# Altium PCB AIWAC_A33_RGB5寸LCD驱动板_20190109.PcbDoc (part 13 of 14)
Units mm, origin at the board's own origin, x right, y up, seen from the top; angles counter-clockwise.
Board outline 96.45 x 44.9 mm, 2 copper layers (Top Layer, Bottom Layer); 32 components, 42 nets, 22766 pads, 749 vias.
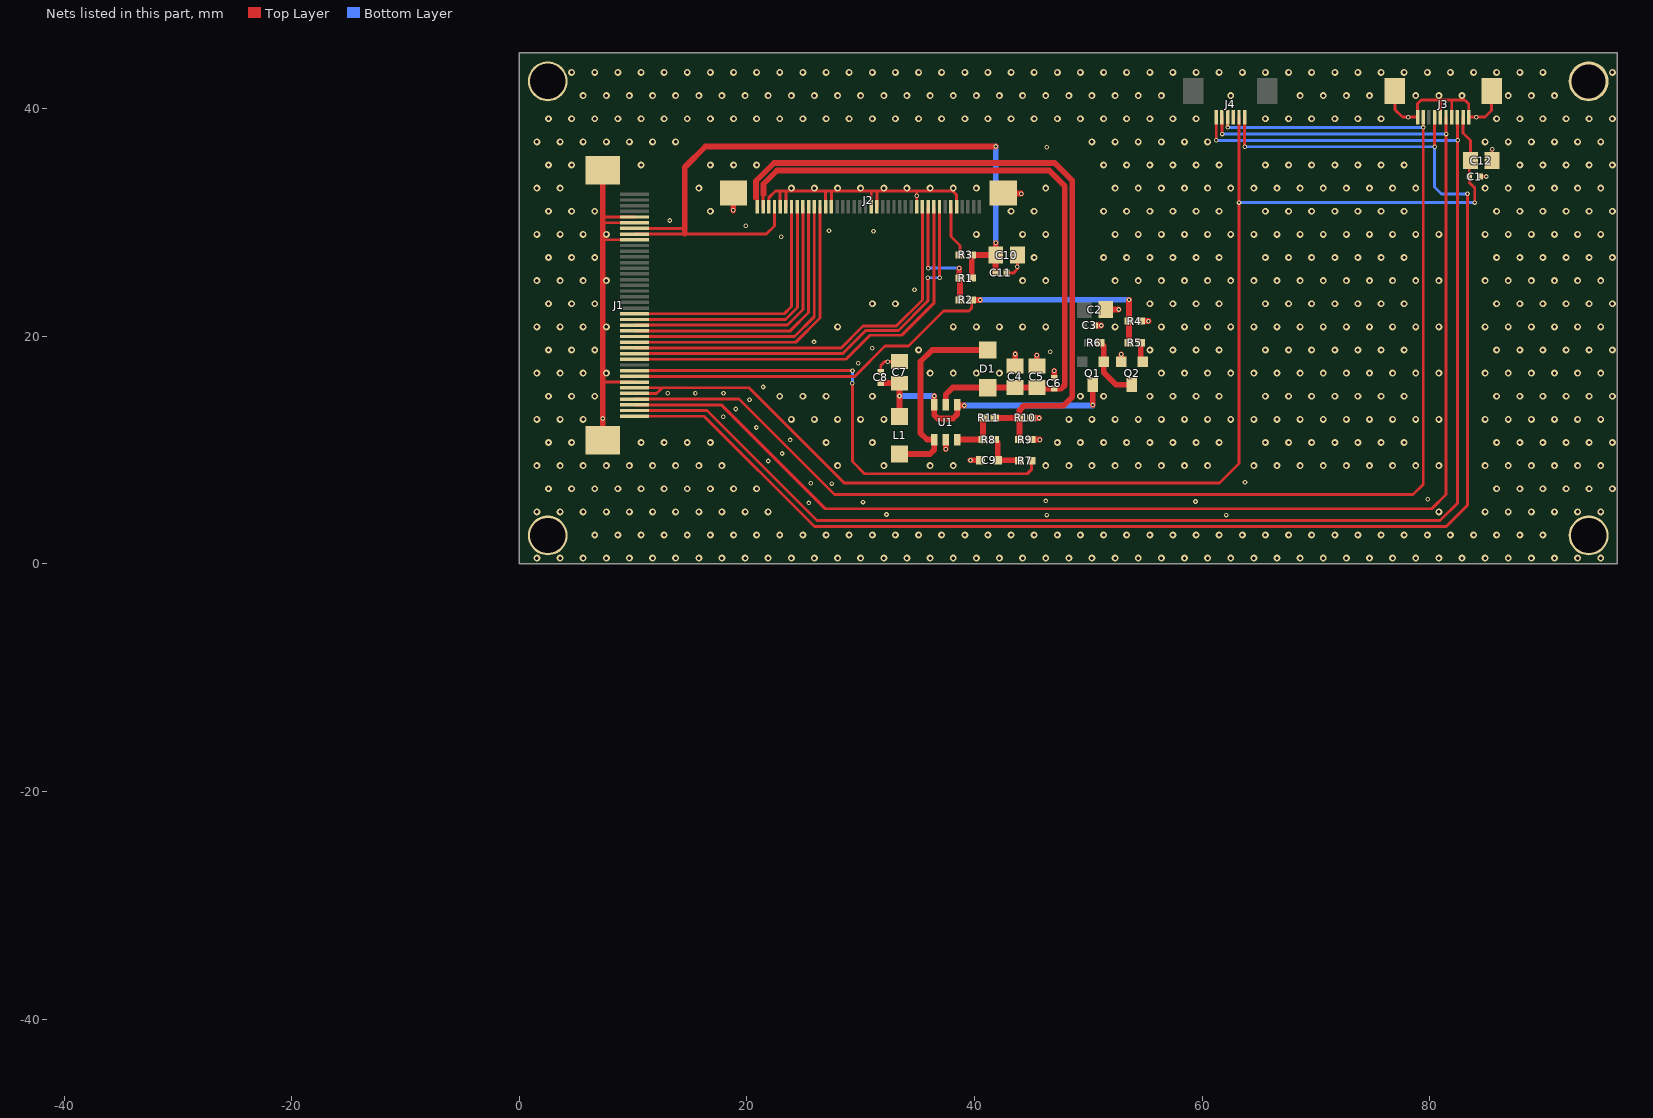
[diagram p13: the nets of this part, all layers, seen from the top]

## Via types
v1: diameter 0.61, hole 0.305, Top Layer to Bottom Layer, tented both sides, 646 vias
v2: diameter 0.406, hole 0.203, Top Layer to Bottom Layer, tented both sides, 103 vias

## Nets (pads, with @x,y where several pads share a name; then routed paths per layer and width w, separated by ;. In a path a pad name is that pad's centre, name@x,y a point inside that pad or via, vN(x,y) a via of type N, cw(c..) or ccw(c..) an arc to the next point about the centre after c; other vN are vias at no path point) (continued)
GND: C1.2 C2.2 C3.2 C4.2 C5.2 C6.2 C7.2 C8.2 C9.1 C10.2 C11.2 C12.2 J1.5 J1.6 J1.9 J1.34 J1.41 J1.42 J2.0 J2.3 J2.5 J2.6 J2.13 J2.14 J2.21 J2.22 J2.29 J2.36 J3.1 J3.4 J3.6 J3.10 J3.11 J3.12 J4.3 pad.0 Q2.2 R4.2 R9.2 R10.2 U1.2 | length 99.6
  Top Layer w0.254: 7.329,15.9 7.409,15.98 J1.34@10.112,15.98 ; 7.329,28.499 7.348,28.48 J1.9@10.112,28.48 ; 7.329,29.972 7.337,29.98 J1.6@10.112,29.98 ; 7.329,30.455 7.354,30.48 J1.5@10.112,30.48 ; J2.3@21.914,31.373 21.914,32.182 22.498,32.766 22.987,32.766 ; J2.5@22.914,31.373 22.914,32.693 22.987,32.766 ; J2.6@23.414,31.373 23.414,32.72 23.368,32.766 ; J2.13@26.914,31.373 26.914,32.751 26.899,32.766 ; J2.14@27.414,31.373 27.414,32.672 27.508,32.766 ; J2.21@30.914,31.373 30.914,32.743 30.937,32.766 ; J2.22@31.414,31.373 31.414,32.76 31.42,32.766 ; C8.2@31.75,16.866 31.75,17.424 32.101,17.775 v2(32.36,17.775) C7.2@33.401,17.775 ; J2.29@34.914,31.373 v2(34.914,32.36) 34.914,32.73 34.95,32.766 ; J2.36@38.414,31.373 38.414,32.436 38.084,32.766 34.95,32.766 ; C11.2@42.799,25.578 43.434,25.578 43.759,25.903 v2(43.759,26.111) C10.2@43.759,27.127 ; J3.12@76.92,41.556 76.92,39.92 77.584,39.256 v2(78.105,39.256) J3.10@78.92,39.256 78.92,40.439 79.248,40.767 81.026,40.767 ; J3.6@80.92,39.256 80.92,40.661 81.026,40.767 ; J3.4@81.92,39.256 81.92,40.762 81.915,40.767 ; C1.2@84.43,34.036 v2(84.963,34.036) ; J3.11@85.42,41.556 85.42,39.827 84.849,39.256 v2(84.074,39.256) J3.1@83.42,39.256 83.42,40.405 83.058,40.767 81.915,40.767 ; C12.2@85.466,35.433 85.466,36.444 v2(85.471,36.449) ; 22.987,32.766 23.368,32.766 ; 23.368,32.766 26.899,32.766 ; 26.899,32.766 27.508,32.766 ; 27.508,32.766 30.937,32.766 ; 30.937,32.766 31.42,32.766 ; 31.42,32.766 32.024,32.766 34.95,32.766 ; 81.026,40.767 81.915,40.767
  Top Layer w0.508: J1.41@7.329,10.88 v2(7.329,12.776) 7.329,15.9 7.329,28.499 7.329,29.972 7.329,30.455 J1.42@7.329,34.58 ; v2(18.796,31.064) 18.796,32.555 J2.0@18.814,32.573 ; v2(37.465,10.084) U1.2@37.465,10.922 ; v2(39.637,9.106) C9.1@40.513,9.106 ; J2.0@42.514,32.573 42.55,32.537 v2(44.094,32.537) ; C4.2@43.561,17.394 v2(43.561,18.44) ; R9.2@44.983,10.922 v2(45.72,10.922) ; R10.2@44.983,12.827 v2(45.669,12.827) ; C5.2@45.466,17.394 v2(45.466,18.339) ; C6.2@46.99,16.358 v2(46.99,16.967) ; C3.2@50.592,20.954 v2(51.131,20.954) ; C2.2@51.527,22.351 v2(52.654,22.351) ; Q2.2@52.878,17.779 v2(52.878,18.41) ; R4.2@54.605,21.335 v2@55.27,21.335
  other v1: 1.544,0.509 3.576,0.509 5.608,0.509 7.64,0.509 9.672,0.509 11.704,0.509 13.736,0.509 15.768,0.509 17.8,0.509 19.832,0.509 21.864,0.509 23.896,0.509 25.928,0.509 27.96,0.509 29.992,0.509 32.024,0.509 34.056,0.509 36.088,0.509 38.12,0.509 40.152,0.509 42.184,0.509 44.216,0.509 46.248,0.509 48.28,0.509 50.312,0.509 52.344,0.509 54.376,0.509 56.408,0.509 58.44,0.509 60.472,0.509 62.504,0.509 64.536,0.509 66.568,0.509 68.6,0.509 70.632,0.509 72.664,0.509 74.696,0.509 76.728,0.509 78.76,0.509 80.792,0.509 82.824,0.509 84.856,0.509 86.888,0.509 88.92,0.509 90.952,0.509 92.984,0.509 95.016,0.509 6.624,2.541 8.656,2.541 10.688,2.541 12.72,2.541 14.752,2.541 16.784,2.541 18.816,2.541 20.848,2.541 22.88,2.541 24.912,2.541 26.944,2.541 28.976,2.541 31.008,2.541 33.04,2.541 35.072,2.541 37.104,2.541 39.136,2.541 41.168,2.541 43.2,2.541 45.232,2.541 47.264,2.541 49.296,2.541 51.328,2.541 53.36,2.541 55.392,2.541 57.424,2.541 59.456,2.541 61.488,2.541 63.52,2.541 65.552,2.541 67.584,2.541 69.616,2.541 71.648,2.541 73.68,2.541 75.712,2.541 77.744,2.541 79.776,2.541 81.808,2.541 83.84,2.541 85.872,2.541 87.904,2.541 89.936,2.541 1.544,4.573 3.576,4.573 5.608,4.573 7.64,4.573 9.672,4.573 11.704,4.573 13.736,4.573 15.768,4.573 17.8,4.573 19.832,4.573 21.864,4.573 80.792,4.573 84.856,4.573 86.888,4.573 88.92,4.573 90.952,4.573 92.984,4.573 95.016,4.573 2.56,6.605 4.592,6.605 6.624,6.605 8.656,6.605 10.688,6.605 12.72,6.605 14.752,6.605 16.784,6.605 18.816,6.605 20.848,6.605 85.872,6.605 87.904,6.605 89.936,6.605 91.968,6.605 94,6.605 96.032,6.605 1.544,8.637 3.576,8.637 5.608,8.637 7.64,8.637 9.672,8.637 11.704,8.637 13.736,8.637 15.768,8.637 17.8,8.637 27.96,8.637 32.024,8.637 36.088,8.637 38.12,8.637 46.248,8.637 48.28,8.637 50.312,8.637 52.344,8.637 54.376,8.637 56.408,8.637 58.44,8.637 60.472,8.637 64.536,8.637 66.568,8.637 68.6,8.637 70.632,8.637 72.664,8.637 74.696,8.637 76.728,8.637 78.76,8.637 80.792,8.637 84.856,8.637 86.888,8.637 88.92,8.637 90.952,8.637 92.984,8.637 95.016,8.637 2.56,10.669 4.592,10.669 10.688,10.669 12.72,10.669 14.752,10.669 16.784,10.669 26.944,10.669 31.008,10.669 47.264,10.669 49.296,10.669 51.328,10.669 53.36,10.669 55.392,10.669 57.424,10.669 59.456,10.669 61.488,10.669 65.552,10.669 67.584,10.669 69.616,10.669 71.648,10.669 73.68,10.669 75.712,10.669 77.744,10.669 85.872,10.669 87.904,10.669 89.936,10.669 91.968,10.669 94,10.669 96.032,10.669 1.544,12.701 3.576,12.701 5.608,12.701 23.896,12.701 25.928,12.701 27.96,12.701 29.992,12.701 32.024,12.701 48.28,12.701 50.312,12.701 52.344,12.701 54.376,12.701 56.408,12.701 58.44,12.701 60.472,12.701 62.504,12.701 64.536,12.701 66.568,12.701 68.6,12.701 70.632,12.701 72.664,12.701 74.696,12.701 76.728,12.701 78.76,12.701 80.792,12.701 84.856,12.701 86.888,12.701 88.92,12.701 90.952,12.701 92.984,12.701 95.016,12.701 2.56,14.733 4.592,14.733 6.624,14.733 22.88,14.733 24.912,14.733 26.944,14.733 31.008,14.733 49.296,14.733 51.328,14.733 55.392,14.733 57.424,14.733 59.456,14.733 61.488,14.733 65.552,14.733 67.584,14.733 69.616,14.733 71.648,14.733 73.68,14.733 75.712,14.733 77.744,14.733 85.872,14.733 87.904,14.733 89.936,14.733 91.968,14.733 94,14.733 96.032,14.733 1.544,16.765 3.576,16.765 5.608,16.765 7.64,16.765 36.088,16.765 38.12,16.765 40.152,16.765 42.184,16.765 56.408,16.765 58.44,16.765 60.472,16.765 62.504,16.765 64.536,16.765 66.568,16.765 68.6,16.765 70.632,16.765 72.664,16.765 74.696,16.765 76.728,16.765 78.76,16.765 80.792,16.765 84.856,16.765 86.888,16.765 88.92,16.765 90.952,16.765 92.984,16.765 95.016,16.765 2.56,18.797 4.592,18.797 6.624,18.797 35.072,18.797 55.392,18.797 57.424,18.797 59.456,18.797 61.488,18.797 65.552,18.797 67.584,18.797 69.616,18.797 71.648,18.797 73.68,18.797 75.712,18.797 77.744,18.797 85.872,18.797 87.904,18.797 89.936,18.797 91.968,18.797 94,18.797 96.032,18.797 1.544,20.829 3.576,20.829 5.608,20.829 7.64,20.829 27.96,20.829 38.12,20.829 40.152,20.829 42.184,20.829 44.216,20.829 46.248,20.829 52.344,20.829 56.408,20.829 58.44,20.829 60.472,20.829 62.504,20.829 64.536,20.829 66.568,20.829 68.6,20.829 70.632,20.829 72.664,20.829 74.696,20.829 76.728,20.829 78.76,20.829 80.792,20.829 84.856,20.829 86.888,20.829 88.92,20.829 90.952,20.829 92.984,20.829 95.016,20.829 2.56,22.861 4.592,22.861 6.624,22.861 31.008,22.861 33.04,22.861 55.392,22.861 57.424,22.861 59.456,22.861 61.488,22.861 65.552,22.861 67.584,22.861 69.616,22.861 71.648,22.861 73.68,22.861 75.712,22.861 77.744,22.861 85.872,22.861 87.904,22.861 89.936,22.861 91.968,22.861 94,22.861 96.032,22.861 1.544,24.893 3.576,24.893 5.608,24.893 7.64,24.893 44.216,24.893 46.248,24.893 52.344,24.893 54.376,24.893 56.408,24.893 58.44,24.893 60.472,24.893 62.504,24.893 64.536,24.893 66.568,24.893 68.6,24.893 70.632,24.893 72.664,24.893 74.696,24.893 76.728,24.893 78.76,24.893 80.792,24.893 84.856,24.893 86.888,24.893 88.92,24.893 90.952,24.893 92.984,24.893 95.016,24.893 2.56,26.925 4.592,26.925 6.624,26.925 45.232,26.925 51.328,26.925 53.36,26.925 55.392,26.925 57.424,26.925 59.456,26.925 61.488,26.925 65.552,26.925 67.584,26.925 69.616,26.925 71.648,26.925 73.68,26.925 75.712,26.925 77.744,26.925 85.872,26.925 87.904,26.925 89.936,26.925 91.968,26.925 94,26.925 96.032,26.925 1.544,28.957 3.576,28.957 5.608,28.957 7.64,28.957 40.152,28.957 44.216,28.957 46.248,28.957 52.344,28.957 54.376,28.957 56.408,28.957 58.44,28.957 60.472,28.957 62.504,28.957 64.536,28.957 66.568,28.957 68.6,28.957 70.632,28.957 72.664,28.957 74.696,28.957 76.728,28.957 78.76,28.957 80.792,28.957 84.856,28.957 86.888,28.957 88.92,28.957 90.952,28.957 92.984,28.957 95.016,28.957 2.56,30.989 4.592,30.989 6.624,30.989 16.784,30.989 43.2,30.989 45.232,30.989 51.328,30.989 53.36,30.989 55.392,30.989 57.424,30.989 59.456,30.989 61.488,30.989 65.552,30.989 67.584,30.989 69.616,30.989 71.648,30.989 73.68,30.989 75.712,30.989 77.744,30.989 85.872,30.989 87.904,30.989 89.936,30.989 91.968,30.989 94,30.989 96.032,30.989 1.544,33.021 3.576,33.021 15.768,33.021 23.896,33.021 25.928,33.021 27.96,33.021 29.992,33.021 32.024,33.021 34.056,33.021 36.088,33.021 38.12,33.021 40.152,33.021 46.248,33.021 52.344,33.021 54.376,33.021 56.408,33.021 58.44,33.021 60.472,33.021 62.504,33.021 64.536,33.021 66.568,33.021 68.6,33.021 70.632,33.021 72.664,33.021 74.696,33.021 76.728,33.021 78.76,33.021 84.856,33.021 86.888,33.021 88.92,33.021 90.952,33.021 92.984,33.021 95.016,33.021 2.56,35.053 4.592,35.053 10.688,35.053 16.784,35.053 18.816,35.053 20.848,35.053 51.328,35.053 53.36,35.053 55.392,35.053 57.424,35.053 59.456,35.053 61.488,35.053 65.552,35.053 67.584,35.053 69.616,35.053 71.648,35.053 73.68,35.053 75.712,35.053 77.744,35.053 87.904,35.053 89.936,35.053 91.968,35.053 94,35.053 96.032,35.053 1.544,37.085 3.576,37.085 5.608,37.085 7.64,37.085 9.672,37.085 11.704,37.085 13.736,37.085 50.312,37.085 52.344,37.085 54.376,37.085 56.408,37.085 58.44,37.085 60.472,37.085 84.856,37.085 86.888,37.085 88.92,37.085 90.952,37.085 92.984,37.085 95.016,37.085 2.56,39.117 4.592,39.117 6.624,39.117 8.656,39.117 10.688,39.117 12.72,39.117 14.752,39.117 16.784,39.117 18.816,39.117 20.848,39.117 22.88,39.117 24.912,39.117 26.944,39.117 28.976,39.117 31.008,39.117 33.04,39.117 35.072,39.117 37.104,39.117 39.136,39.117 41.168,39.117 43.2,39.117 45.232,39.117 47.264,39.117 49.296,39.117 51.328,39.117 53.36,39.117 55.392,39.117 57.424,39.117 59.456,39.117 65.552,39.117 67.584,39.117 69.616,39.117 71.648,39.117 73.68,39.117 75.712,39.117 85.872,39.117 87.904,39.117 89.936,39.117 91.968,39.117 94,39.117 96.032,39.117 5.608,41.149 7.64,41.149 9.672,41.149 11.704,41.149 13.736,41.149 15.768,41.149 17.8,41.149 19.832,41.149 21.864,41.149 23.896,41.149 25.928,41.149 27.96,41.149 29.992,41.149 32.024,41.149 34.056,41.149 36.088,41.149 38.12,41.149 40.152,41.149 42.184,41.149 44.216,41.149 46.248,41.149 48.28,41.149 50.312,41.149 52.344,41.149 54.376,41.149 56.408,41.149 62.504,41.149 68.6,41.149 70.632,41.149 72.664,41.149 74.696,41.149 78.76,41.149 80.792,41.149 82.824,41.149 86.888,41.149 88.92,41.149 90.952,41.149 4.592,43.181 6.624,43.181 8.656,43.181 10.688,43.181 12.72,43.181 14.752,43.181 16.784,43.181 18.816,43.181 20.848,43.181 22.88,43.181 24.912,43.181 26.944,43.181 28.976,43.181 31.008,43.181 33.04,43.181 35.072,43.181 37.104,43.181 39.136,43.181 41.168,43.181 43.2,43.181 45.232,43.181 47.264,43.181 49.296,43.181 51.328,43.181 53.36,43.181 55.392,43.181 57.424,43.181 59.456,43.181 61.488,43.181 63.52,43.181 65.552,43.181 67.584,43.181 69.616,43.181 71.648,43.181 73.68,43.181 75.712,43.181 77.744,43.181 79.776,43.181 81.808,43.181 83.84,43.181 85.872,43.181 87.904,43.181 89.936,43.181 96.032,43.181
  other v2: 46.35,4.293 62.098,4.293 32.258,4.343 25.42,5.359 30.195,5.436 59.411,5.487 46.248,5.537 79.807,5.69 27.452,7.061 25.603,7.087 63.754,7.188 21.864,9.042 23.083,9.703 23.795,10.897 20.828,11.989 17.907,12.929 18.999,13.615 20.218,14.428 13.025,14.986 15.469,14.986 17.932,14.986 21.412,15.545 29.789,17.628 46.655,18.644 31.008,18.948 25.883,19.507 55.27,21.336 34.722,24.08 23.012,28.753 31.115,29.235 27.203,29.261 19.888,29.719 13.208,30.176 46.33,36.601
HSYNC: J1.30 J2.32 | length 36.8
  Top Layer w0.254: J1.30@10.112,17.98 28.708,17.98 30.82,20.091 33.604,20.091 36.414,22.901 J2.32@36.414,31.373
I2C_SCK: J1.39 J3.3 J4.6 | length 134.1
  Top Layer w0.254: J1.39@10.112,13.48 16.492,13.48 26.162,3.81 80.899,3.81 82.42,5.331 82.42,37.22 J3.3@82.42,39.256 ; v2(61.23,37.22) J4.6@61.23,39.256
  Bottom Layer w0.254: v2(61.23,37.22) v2(82.458,37.22)
I2C_SDA: J1.38 J3.5 J4.5 | length 129.9
  Top Layer w0.254: J1.38@10.112,13.98 17.745,13.98 26.873,4.851 80.162,4.851 81.42,6.109 81.42,37.77 J3.5@81.42,39.256 ; J4.5@61.73,39.256 61.73,37.787 v2(61.747,37.77)
  Bottom Layer w0.254: v2(61.747,37.77) v2(81.432,37.77)
LCD-BL-EN: J1.33 R2.1 R4.1 R5.2 | length 50.4
  Top Layer w0.254: J1.33@10.112,16.48 29.459,16.48 32.131,19.152 34.188,19.152 37.262,22.225 39.497,22.225 39.751,22.479 R2.1@39.751,23.19
  Top Layer w0.508: R2.1@39.751,23.19 v2(40.488,23.19) ; R5.2@53.564,19.43 R4.1@53.564,21.335 v2(53.564,23.216)
  Bottom Layer w0.508: v2(40.488,23.19) 40.513,23.216 v2(53.564,23.216)
LCD_5V: C7.1 C8.1 L1.1 Q1.3 U1.4 U1.6 | length 26.1
  Top Layer w0.508: C8.1@31.75,15.9 33.376,15.9 C7.1@33.401,15.875 v2(33.401,14.757) L1.1@33.401,12.954 ; v2(36.449,14.757) U1.6@36.449,13.97 36.449,13.081 36.754,12.776 38.1,12.776 38.481,13.157 U1.4@38.481,13.97 38.532,13.919 v2(39.091,13.919) ; v2(50.389,13.97) Q1.3@50.389,15.747
  Bottom Layer w0.508: v2(33.401,14.757) v2(36.449,14.757) ; v2(39.091,13.919) v2@50.389,13.919
NetC9_2: C9.2 R7.1 R8.2 | length 3.8
  Top Layer w0.508: R8.2@41.783,10.922 42.037,10.668 C9.2@42.037,9.106 43.904,9.106 R7.1@43.942,9.068
NetD1_1: D1.1 L1.2 U1.1 | length 18.1
  Top Layer w0.508: L1.2@33.401,9.652 36.068,9.652 36.449,10.033 U1.1@36.449,10.922 35.814,10.922 35.255,11.481 35.255,17.78 36.271,18.796 D1.1@41.148,18.796
NetJ2_31: J2.31 R1.2 R2.2 | length 10.9
  Top Layer w0.254: v2(35.914,25.986) J2.31@35.914,31.373
  Top Layer w0.508: v2(38.657,25.986) 38.657,25.173 R1.2@38.71,25.121 R2.2@38.71,23.19
  Bottom Layer w0.254: v2(35.914,25.986) v2(38.657,25.986)
NetJ2_35: J2.35 R3.2 | length 4.5
  Top Layer w0.254: J2.35@37.914,31.373 37.914,28.761 38.71,27.965 R3.2@38.71,27.153
NetQ1_1: Q1.1 Q2.3 R6.2 | length 5.6
  Top Layer w0.508: R6.2@51.049,19.43 51.354,19.126 Q1.1@51.354,17.779 51.354,16.82 52.426,15.747 Q2.3@53.818,15.747
NetQ2_1: Q2.1 R5.1 | length 1.7
  Top Layer w0.508: R5.1@54.605,19.43 54.605,17.957 Q2.1@54.783,17.779
NetR8_1: R8.1 R11.2 U1.3 | length 4.2
  Top Layer w0.508: U1.3@38.481,10.922 R8.1@40.742,10.922 R11.2@40.742,12.827
PWM0: J1.32 R7.2 | length 44.3
  Top Layer w0.254: J1.32@10.112,16.98 v2(29.274,16.98) ; v2(29.261,15.875) 29.261,8.992 30.328,7.925 44.628,7.925 44.983,8.28 R7.2@44.983,9.068
  Bottom Layer w0.254: v2(29.261,15.875) 29.261,16.942 29.286,16.967 v2(29.274,16.98)
R2: J1.22 J2.7 | length 22.8
  Top Layer w0.254: J1.22@10.112,21.98 23.275,21.98 23.914,22.619 J2.7@23.914,31.373
R3: J1.23 J2.8 | length 23.6
  Top Layer w0.254: J1.23@10.112,21.48 23.382,21.48 24.435,22.533 24.435,31.352 J2.8@24.414,31.373
R4: J1.24 J2.9 | length 24.4
  Top Layer w0.254: J1.24@10.112,20.98 23.545,20.98 24.914,22.349 J2.9@24.914,31.373
R5: J1.25 J2.10 | length 25.3
  Top Layer w0.254: J1.25@10.112,20.48 23.807,20.48 25.414,22.087 J2.10@25.414,31.373
R6: J1.26 J2.11 | length 26.2
  Top Layer w0.254: J1.26@10.112,19.98 24.171,19.98 25.914,21.723 J2.11@25.914,31.373
R7: J1.27 J2.12 | length 26.9
  Top Layer w0.254: J1.27@10.112,19.48 24.281,19.48 26.414,21.613 J2.12@26.414,31.373
TP_INT: J1.37 J3.9 J4.4 | length 123.5
  Top Layer w0.254: J1.37@10.112,14.48 19.302,14.48 27.686,6.096 78.531,6.096 79.42,6.985 v2(79.42,38.354) J3.9@79.42,39.256 ; v2(62.23,38.354) J4.4@62.23,39.256
  Bottom Layer w0.254: v2(62.23,38.354) v2(79.42,38.354)
TP_WAKEUP: J1.40 J3.7 J4.1 | length 133.9
  Top Layer w0.254: J1.40@10.112,12.98 16.23,12.98 25.933,3.277 81.432,3.277 83.312,5.156 v2(83.312,32.512) ; v2(63.73,36.651) J4.1@63.73,39.256 ; v2(80.42,36.656) J3.7@80.42,39.256
  Bottom Layer w0.254: v2(63.73,36.651) v2@80.415,36.651 ; v2(80.42,36.656) 80.42,33.118 81.026,32.512 v2(83.312,32.512)
VCC-CTP: C1.1 C12.1 J1.35 J1.36 J3.2 J4.2 | length 119.1
  Top Layer w0.254: J1.36@10.112,14.98 12.059,14.98 12.559,15.48 ; J1.35@10.112,15.48 12.559,15.48 ; J4.2@63.23,39.256 v2(63.23,31.75) 63.23,8.823 61.519,7.112 28.55,7.112 20.182,15.48 12.559,15.48 ; J3.2@82.92,39.256 82.92,37.857 83.566,37.211 C12.1@83.566,35.433 83.464,35.331 C1.1@83.464,34.036 83.464,33.503 83.947,33.02 v2(83.947,31.75)
  Bottom Layer w0.254: v2(63.23,31.75) v2(83.947,31.75)
VCC_LCD: C10.1 C11.1 J1.7 J1.8 J2.4 R1.1 R3.1 | length 67.6
  Top Layer w0.254: J1.8@10.112,28.98 21.69,28.98 22.414,29.704 J2.4@22.414,31.373 ; J1.7@10.112,29.48 14.376,29.48
  Top Layer w0.508: 14.529,29.005 14.529,34.849 16.358,36.678 v2(41.859,36.678) ; R1.1@39.751,25.121 R3.1@39.751,27.153 C10.1@41.783,27.153 ; C11.1@41.834,25.578 C10.1@41.834,27.102 ; C10.1@41.859,27.127 v2(41.859,28.219)
  Bottom Layer w0.508: v2(41.859,28.219) v2(41.859,36.678)
VCLK: J1.28 J2.30 | length 35.2
  Top Layer w0.254: J1.28@10.112,18.98 28.276,18.98 30.201,20.904 33.122,20.904 35.408,23.19 35.408,31.367 J2.30@35.414,31.373
VLED+: C4.1 C5.1 C6.1 D1.2 J2.2 U1.5 | length 58.8
  Top Layer w0.254: J2.2@21.414,31.373 21.414,32.487
  Top Layer w0.508: 21.447,32.487 21.447,33.381 22.635,34.569 46.558,34.569 47.91,33.218 47.91,15.703 47.6,15.392 C6.1@46.99,15.392 45.568,15.392 C5.1@45.466,15.494 C4.1@43.561,15.494 D1.2@41.148,15.494 38.075,15.494 37.465,14.884 U1.5@37.465,13.97
VLED-: J2.1 R9.1 R10.1 R11.1 | length 61.2
  Top Layer w0.254: J2.1@20.914,31.373 20.914,33.122
  Top Layer w0.508: 20.787,32.166 20.787,33.655 22.362,35.23 47.041,35.23 48.57,33.7 48.57,14.661 47.803,13.894 44.323,13.894 43.942,13.513 R10.1@43.942,12.827 R9.1@43.942,10.922 ; R11.1@41.783,12.827 R10.1@43.942,12.827
VSYNC: J1.29 J2.33 | length 37
  Top Layer w0.254: J1.29@10.112,18.48 28.411,18.48 30.429,20.498 33.299,20.498 35.89,23.089 v2(35.89,25.146) ; v2@36.914,25.146 J2.33@36.914,31.373
  Bottom Layer w0.254: v2(35.89,25.146) v2(36.932,25.146)
pads on no net: J2.37 J2.38 J2.39 J2.40 J3.8 J4.7 J4.8

## Polygon pours and split planes (outlines as drawn)
GND on Top Layer "Bottom Layer-No Net" (hatched 90Degree grid 0.102 track 0.127, remove dead copper, pour order 2): 96.45,44.9 96.45,0 0.127,0 0.127,44.9
GND on Bottom Layer "Bottom Layer-No Net" (hatched 90Degree grid 0.102 track 0.127, remove dead copper, pour order 4): 0,44.9 96.45,44.9 96.45,0.102 96.348,0 0.127,0 0.127,44.773

## Other copper
Top Layer:
  pour cut-out: 48.57,33.7 49.296,33.7 49.327,33.731 49.327,22.454 48.775,22.454 48.483,22.746 48.57,22.833

## Silkscreen, mask and mechanical layers (free items; w line width, h text height)
Top Overlay:
  region: 133.474,-55.804 79.074,-55.804 76.674,-58.204 76.674,-92.704 77.274,-92.704 133.474,-92.604
  text "I2C_SCK" at 68.199,43.688 h0.76 r270
  text "I2C_SDA" at 69.215,43.688 h0.76 r270
  text "IP_INT" at 70.358,43.688 h0.76 r270
  text "GND" at 71.374,43.688 h0.76 r270
  text "VCC_CTP" at 72.39,43.688 h0.76 r270
  text "TP_WAKEUP" at 73.533,43.688 h0.76 r270
  text "AIWAC_RGB-LCD 5寸驱动板V1.0_20190105" at 21.539,42.164 h1.52
  text "1" at 11.176,33.147 h0.76 r90
  text "VCC_CTP" at 93.726,32.766 h0.76 r270
  text "TP_WAKEUP" at 86.36,32.639 h0.76 r270
  text "IP_INT" at 88.392,32.639 h0.76 r270
  text "GND" at 89.408,32.639 h0.76 r270
  text "I2C_SDA" at 90.551,32.639 h0.76 r270
  text "GND" at 91.567,32.639 h0.76 r270
  text "I2C_SCK" at 92.583,32.639 h0.76 r270
  text "GND" at 94.869,32.639 h0.76 r270
  text "GND" at 85.344,32.512 h0.76 r270
  text "NC" at 87.376,32.512 h0.76 r270
  text "40" at 11.049,10.795 h0.76 r90
Mechanical 1:
  lines w0.254: -40.894,-8.382 -40.894,36.518 ; 0.127,0 0.127,44.9 ; 0.202,46.931 0.203,46.423 ; 1.726,47.186 0.203,46.677 ; 1.727,46.17 0.203,46.677 ; 40.34,46.719 0.203,46.677 ; 56.388,46.736 96.526,46.778 ; 95.001,47.285 96.526,46.778 ; 95.002,46.269 96.526,46.778 ; 96.525,47.032 96.526,46.524 ; 99.136,0.817 99.641,-0.709 ; 99.231,42.669 99.742,44.191 ; 99.387,-0.708 99.895,-0.709 ; 99.488,44.192 99.996,44.191 ; 99.677,15.241 99.641,-0.709 ; 99.706,28.242 99.742,44.191 ; 100.152,0.814 99.641,-0.709 ; 100.247,42.666 99.742,44.191 ; 0,0 0,44.9 96.45,44.9 96.45,0 0,0
  text "96.323 (mm)" at 40.595,45.805 h1.52 r0.06
  text "44.9 (mm)" at 100.591,15.493 h1.52 r89.87
Mechanical 2:
  drawing of 19725 lines, arcs and shapes, not listed
Mechanical 3:
  drawing of 7932 lines, arcs and shapes, not listed
Mechanical 4:
  lines w0: -39.046,-44.143 -39.046,-44.141 ; -39.046,-44.143 -39.045,-44.143 ; -39.046,-44.143 -39.045,-44.143 ; -39.046,-44.143 -39.046,-44.141 ; -39.046,-44.143 -39.045,-44.143 ; -39.046,-44.143 -39.046,-44.141 ; -39.046,-44.141 -39.045,-44.141 ; -39.046,-44.141 -39.045,-44.141 ; -39.046,-44.141 -39.045,-44.141 ; -39.045,-44.143 -39.045,-44.141 ; -39.045,-44.143 -39.045,-44.141 ; -39.045,-44.143 -39.045,-44.141 ; -39.043,-44.112 -39.042,-44.112 ; -39.043,-44.112 -39.043,-44.108 ; -39.043,-44.112 -39.043,-44.108 ; -39.043,-44.112 -39.042,-44.112 ; -39.043,-44.112 -39.043,-44.108 ; -39.043,-44.112 -39.042,-44.112 ; -39.043,-44.108 -39.042,-44.108 ; -39.043,-44.108 -39.042,-44.108 ; -39.043,-44.108 -39.042,-44.108 ; -39.044,-44.1 -39.044,-44.097 ; -39.044,-44.1 -39.042,-44.1 ; -39.044,-44.1 -39.042,-44.1 ; -39.044,-44.1 -39.044,-44.097 ; -39.044,-44.1 -39.042,-44.1 ; -39.044,-44.1 -39.044,-44.097 ; -39.044,-44.097 -39.042,-44.097 ; -39.044,-44.097 -39.042,-44.097 ; -39.044,-44.097 -39.042,-44.097 ; -39.042,-44.1 -39.042,-44.097 ; -39.042,-44.1 -39.042,-44.097 ; -39.042,-44.1 -39.042,-44.097 ; -39.042,-44.112 -39.042,-44.108 ; -39.042,-44.112 -39.042,-44.108 ; -39.042,-44.112 -39.042,-44.108 ; -39.041,-44.11 -39.041,-44.108 ; -39.041,-44.11 -39.038,-44.11 ; -39.041,-44.11 -39.038,-44.11 ; -39.041,-44.11 -39.041,-44.108 ; -39.041,-44.11 -39.038,-44.11 ; -39.041,-44.11 -39.041,-44.108 ; -39.041,-44.108 -39.038,-44.108 ; -39.041,-44.108 -39.038,-44.108 ; -39.041,-44.108 -39.038,-44.108 ; -39.038,-44.122 -39.036,-44.122 ; -39.038,-44.122 -39.038,-44.121 ; -39.038,-44.122 -39.038,-44.121 ; -39.038,-44.122 -39.036,-44.122 ; -39.038,-44.122 -39.038,-44.121 ; -39.038,-44.122 -39.036,-44.122 ; -39.038,-44.121 -39.036,-44.121 ; -39.038,-44.121 -39.036,-44.121 ; -39.038,-44.121 -39.036,-44.121 ; -39.038,-44.11 -39.038,-44.108 ; -39.038,-44.11 -39.038,-44.108 ; -39.038,-44.11 -39.038,-44.108 ; -39.036,-44.122 -39.036,-44.121 ; -39.036,-44.122 -39.036,-44.121 ; -39.036,-44.122 -39.036,-44.121 ; -39.036,-44.104 -39.036,-44.101 ; -39.036,-44.104 -39.034,-44.104 ; -39.036,-44.104 -39.034,-44.104 ; -39.036,-44.104 -39.036,-44.101 ; -39.036,-44.104 -39.034,-44.104 ; -39.036,-44.104 -39.036,-44.101 ; -39.036,-44.101 -39.034,-44.101 ; -39.036,-44.101 -39.034,-44.101 ; -39.036,-44.101 -39.034,-44.101 ; -39.034,-44.104 -39.034,-44.101 ; -39.034,-44.104 -39.034,-44.101 ; -39.034,-44.104 -39.034,-44.101 ; -38.995,-44.105 -38.995,-44.102 ; -38.995,-44.105 -38.994,-44.105 ; -38.995,-44.105 -38.994,-44.105 ; -38.995,-44.105 -38.995,-44.102 ; -38.995,-44.105 -38.994,-44.105 ; -38.995,-44.105 -38.995,-44.102 ; -38.995,-44.102 -38.994,-44.102 ; -38.995,-44.102 -38.994,-44.102 ; -38.995,-44.102 -38.994,-44.102 ; -38.994,-44.105 -38.994,-44.102 ; -38.994,-44.105 -38.994,-44.102 ; -38.994,-44.105 -38.994,-44.102 ; -38.993,-44.105 -38.993,-44.102 ; -38.993,-44.105 -38.992,-44.105 ; -38.993,-44.105 -38.992,-44.105 ; -38.993,-44.105 -38.993,-44.102 ; -38.993,-44.105 -38.992,-44.105 ; -38.993,-44.105 -38.993,-44.102 ; -38.993,-44.102 -38.992,-44.102 ; -38.993,-44.102 -38.992,-44.102 ; -38.993,-44.102 -38.992,-44.102 ; -38.992,-44.105 -38.992,-44.102 ; -38.992,-44.105 -38.992,-44.102 ; -38.992,-44.105 -38.992,-44.102 ; -38.979,-44.104 -38.979,-44.102 ; -38.979,-44.104 -38.976,-44.104 ; -38.979,-44.104 -38.976,-44.104 ; -38.979,-44.104 -38.979,-44.102 ; -38.979,-44.104 -38.976,-44.104 ; -38.979,-44.104 -38.979,-44.102 ; -38.979,-44.102 -38.976,-44.102 ; -38.979,-44.102 -38.976,-44.102 ; -38.979,-44.102 -38.976,-44.102 ; -38.978,-44.105 -38.976,-44.105 ; -38.978,-44.105 -38.978,-44.104 ; -38.978,-44.105 -38.978,-44.104 ; -38.978,-44.105 -38.976,-44.105 ; -38.978,-44.105 -38.978,-44.104 ; -38.978,-44.105 -38.976,-44.105 ; -38.978,-44.104 -38.976,-44.104 ; -38.978,-44.104 -38.976,-44.104 ; -38.978,-44.104 -38.976,-44.104 ; -38.976,-44.105 -38.976,-44.104 ; -38.976,-44.105 -38.976,-44.104 ; -38.976,-44.105 -38.976,-44.104 ; -38.976,-44.104 -38.976,-44.102 ; -38.976,-44.104 -38.976,-44.102 ; -38.976,-44.104 -38.976,-44.102